# KiCad board data-center-ddr5-tester.kicad_pcb (continued)
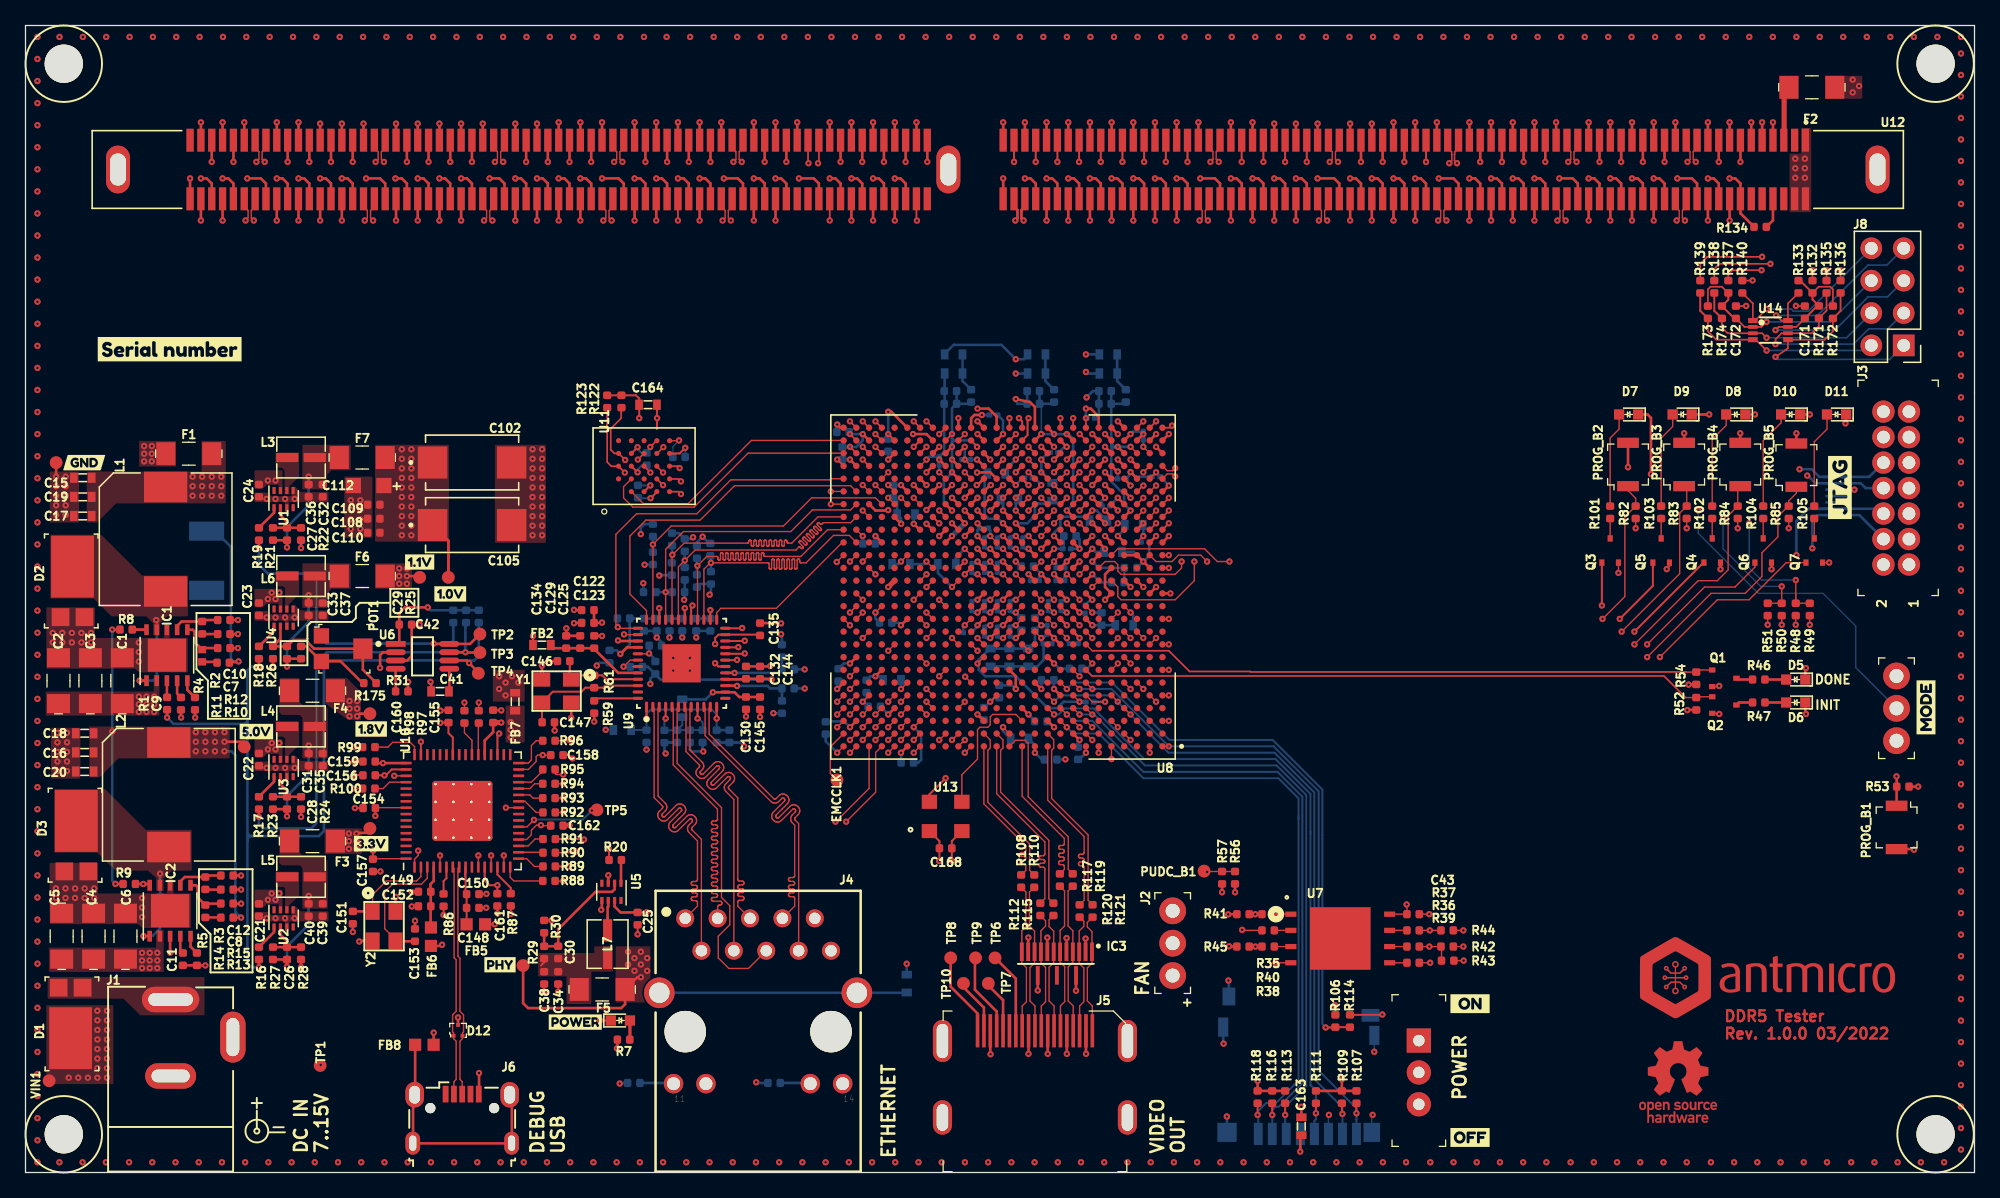
[diagram p0: board, top side]
## Routing (per net, layer and track width the routed paths; a pad name or vN(x,y) marks a point on that pad's centre or on a via; arc(x,y) is an arc through that point) (continued)
  vias: v1(25.35,26.6) v1(25.35,26) v1(25.35,25.4) v1(25.95,26) v1(25.95,25.4) v1(79.36,14.29) v1(143.25,85.75) v1(143.25,84.75) v1(143.75,85.25)
/Ethernet/AVDDH: length 12.3
  Top w0.15: U9.1 v1(48.69,35.63) ; U9.12 v1(54.19,35.63)
  Bottom w0.15: FB1.2 48.67,34.73 C128.1 v1(48.69,35.63) 48.69,35.98 49.03,36.33 53.79,36.33 54.19,35.93 v1(54.19,35.63) C133.1
  Bottom w0.2: C133.1 C138.1
/Ethernet/AVDDL: length 8.1
  Top w0.15: U9.4 v1(50.19,35.63) ; U9.9 v1(52.69,35.63)
  Bottom w0.15: FB3.1 51.49,35.11 C140.1 ; C140.1 C143.1 C136.1 53.09,35.33 52.79,35.63 v1(52.69,35.63) ; C140.1 51.07,34.7 C131.1 50.09,35.53 v1(50.19,35.63)
/Ethernet/AVDDL_PLL: length 7.8
  Top w0.2: U9.44 46.46,39.2 44.59,41.08 C125.1 C129.1 C134.1 41.44,41.14 FB2.1
/FPGA banks 16-34/GND_: length 14.3
  Top w0.127: v1(136.5,67.75) 135.6,66.85 U14.1 135.43,68.19 R140.1
  Top w0.15: 134.65,68.97 R140.1
  Bottom w0.127: J8.8 139.78,67.59 138.6,67.59 138.44,67.75 v1(136.5,67.75)
/Supply/VCC_AUX_EN: length 35.4
  Top w0.2: TP3.1 34.52,40.8 v1(34.49,40.83) U6.7 ; R17.2 v1(18.3,27.9)
  Bottom w0.2: v1(18.3,27.9) 18.3,27.3 18.6,27 22.4,27 22.8,27.4 22.8,40 23.62,40.83 v1(34.49,40.83) 34.49,43.05 34.59,43.14
/Supply/VCC_INT_EN: length 27.7
  Top w0.2: TP2.1 34.85,41.47 U6.8 32.03,41.47 v1(32,41.5) ; R19.2 v1(18.3,49)
  Bottom w0.2: v1(18.3,49) 18.3,47.7 19,47 22.4,47 22.8,46.6 22.8,42.3 23.6,41.5 v1(32,41.5) 33.3,41.5 33.54,41.74 R32.2
/Supply/VCC_IO_EN: length 94.7
  Top w0.15: v1(45.74,25.39) 45.75,25.38 R20.2
  Top w0.2: R1.2 v1(11.1,35.7) ; R18.2 v1(18.3,39.7) ; R16.2 v1(18.3,16.1) ; TP4.1 35.5,39.25 v1(34.78,39.97) 34.57,40.17 U6.6
  In7.Cu w0.15: v1(45.74,25.39) 45.74,33.34 39.1,39.97 v1(34.78,39.97)
  Bottom w0.2: 17.4,35 17.2,35.2 ; 17.4,35 17.4,26.6 ; 17.4,35 17.4,35.2 ; 17.2,35.2 17.4,35.2 ; 17.2,35.2 17.4,35.4 ; 17.2,35.2 11.6,35.2 v1(11.1,35.7) ; 17.4,26 17.4,26.2 17.6,26.4 ; 17.4,26 17.4,26.6 ; 17.4,26 17.4,16.4 17.7,16.1 v1(18.3,16.1) ; 17.4,26.6 17.6,26.4 ; 17.4,35.2 17.4,35.4 ; 17.4,26.4 17.8,26.4 ; 17.8,26.4 23,26.4 23.4,26.8 23.4,39.8 23.78,40.18 34.57,40.18 ; 17.8,26.4 17.6,26.4 ; 17.4,35.4 17.4,39.4 17.7,39.7 v1(18.3,39.7) ; 34.57,40.18 35.18,40.18 35.54,40.54 R34.2 ; 34.57,40.18 v1(34.78,39.97)
GND: length 554.6
  Top w0.1: 29.67,31.13 v1(28.91,31.13) ; 128.89,47.91 128.92,47.88 128.92,47.59 v1(128.67,47.34) ; v1(132.79,35.98) 132.74,36.03 Q2.2 ; v1(132.79,38.18) 132.74,38.13 Q1.2 ; R49.2 v1(139.89,42.98) ; R51.2 v1(136.59,42.98) ; v1(141.4,47.86) 141.4,47.85 Q7.2 ; Q3.2 v1(124.89,47.05) ; U8.AA26 v2(63.14,53.44) ; U8.A26 v1(63.64,32.94) ; U8.J12 v2(78.64,40.94) ; U8.G8 v2(82.64,38.94) ; U8.B13 v1(76.64,34.94) ; U8.P17 v1(72.64,45.94) ; v2(88.64,51.94) U8.W2 ; U8.M4 v1(86.64,43.94) ; U8.B7 v2(83.64,33.94) ; U8.C7 v2(83.64,34.94) ; U8.D7 v2(83.64,35.94) ; U8.F7 v2(83.64,37.94) ; U8.H15 v2(74.64,39.94) ; U8.AB23 v2(67.64,54.94) ; U8.K19 v2(70.64,41.94) ; U8.B4 v2(86.64,33.94) ; U8.C5 v2(85.64,34.94) ; U8.D4 v2(86.64,35.94) ; U8.E5 v2(85.64,36.94) ; U8.G5 v2(85.64,39.94) ; U8.J2 v2(88.64,41.94) ; U8.K3 v2(87.64,41.94) ; U8.K4 v2(86.64,41.94) ; U8.J5 v2(85.64,41.94) ; U8.H4 v2(86.64,39.94) ; U8.H7 v1(83.64,39.94) ; U8.A2 v2(88.14,32.94) ; U8.A1 v2(89.64,33.44) ; U8.G1 v2(89.64,39.44) ; U8.J1 v2(89.64,41.44) ; U8.L1 v2(89.64,43.44) ; U8.L5 v2(85.64,43.94) ; U8.V25 v1(65.64,49.94) ; U8.B23 v2(66.64,33.94) ; U8.L16 v1(73.64,42.94) ; U10.5 v1(32.5,24.88) ; U8.AD7 v2(83.64,56.94) ; U10.15 v1(37.5,24.88) ; U8.L12 v1(77.64,42.94) ; U8.K13 v1(76.64,41.94) ; v2(42.89,32.49) 42.62,32.75 C158.2 ; U8.R24 v1(66.64,46.94) ; U8.G18 v1(71.64,38.94) ; U8.R1 v2(89.64,47.44) ; Q6.2 v1(136.89,47.34) ; R43.2 v1(112.75,16.62) ; U8.L10 v1(80.64,42.94) ; U8.E24 v1(65.64,36.94) ; U8.N11 v1(79.64,44.94) ; U7.4 v1(97.99,16.46) ; U8.K7 v1(83.64,41.94) ; U8.E14 v1(75.64,36.94) ; U11.E5 51.22,57.42 v1(51.24,57.44) ; U8.L26 v1(64.64,42.94) ; U8.F3 v1(87.64,37.94) ; U10.13 v1(36.5,24.87) ; U8.E2 v1(88.64,36.94) ; U8.M11 v1(79.64,43.94) ; U8.N12 v1(77.64,44.94) ; U8.T9 v1(80.64,47.94) U8.R10 ; U8.T13 v1(76.64,48.94) ; U8.D17 v1(73.64,36.94) ; U8.K9 v1(81.64,41.94) ; v1(84.64,36.94) 83.64,36.94 U8.E7 ; U8.V5 v2(85.64,50.94) ; U8.V15 v2(74.64,50.94) ; U8.W12 v1(77.64,51.94) ; U8.F4 v1(86.64,37.94) ; v2(42.66,27.25) 42.63,27.22 C162.2 ; U8.A16 v1(73.64,32.94) ; U8.L14 v1(75.64,42.94) ; U8.U12 v1(77.64,49.94) ; U8.AC20 v1(70.64,55.94) ; U8.C1 v1(89.64,35.44) ; U8.E1 v1(89.64,37.44) ; U8.J22 v1(67.64,40.94) ; U8.P15 v1(74.64,46.94) ; U8.M23 v1(66.64,43.94) ; U8.R12 v1(77.64,47.94) ; U8.U14 v1(75.64,49.94) ; U8.N10 v1(80.64,44.94) ; U8.P13 v1(76.64,46.94) ; U10.11 v1(35.5,24.88) ; U8.K11 v1(79.64,41.94) ; U8.N20 v1(69.64,44.94) ; U8.N14 v1(75.64,44.94) ; U8.A6 v1(84.14,32.94) ; v1(30.79,25.25) 30.79,24.88 30.5,24.59 U10.1 ; U8.T21 v1(68.64,47.94) ; C43.2 v1(110.06,20.27) ; U8.M13 v1(76.64,43.94) ; U8.M9 v1(81.64,43.94) ; U8.M7 v1(83.64,43.94) ; U8.C20 v1(69.64,34.94) ; U8.R14 v1(75.64,47.94) ; U8.A7 v1(83.14,32.94) ; v2(89.64,48.44) U8.T1 ; Q4.2 v1(132.89,47.34) ; U8.F21 v1(68.64,37.94) ; 68.09,51.44 v1(68.65,50.9) ; U8.A5 v1(85.14,32.44) ; 38.6,28.63 v2(37.66,28.63) ; U8.R11 v1(79.64,47.94) ; U8.P12 v1(77.64,46.94)
  Top w0.127: v1(135.4,70) 135.38,69.98 R140.2 ; v1(134.9,68) 134.88,67.98 C172.2 ; C171.2 138.81,67.98 v1(138.8,68) ; U8.AF1 89.72,58.44 v1(89.89,58.6) ; U8.AC10 v1(79.64,55.94)
  Top w0.15: 26.45,31.19 25.74,31.19 ; 48.47,53.4 48.97,53.9 ; 47.48,55.44 47.98,54.94 ; U13.2 72.62,26 C168.2 72.62,24.45 v1(72.64,24.44) ; C161.2 36.99,20.35 v1(37.01,20.33) ; U10.47 v1(31,33.8) ; C154.2 25.84,28.59 v1(25.83,28.6) ; C25.2 47.99,18.69 v1(47.99,18.69) ; R86.1 v1(32.78,20.2) ; v1(41.76,14.19) 41.76,14.19 C34.2 ; C159.2 25.74,32.25 v1(25.74,32.24) ; U9.29 52.19,44.39 v1(52.29,44.49) ; v1(27.83,23.62) 27.82,23.62 C157.2 ; C148.2 36.11,20.76 v1(36.12,20.77) ; v1(37.14,34.44) 37,34.3 U10.35 ; v1(37.3,36.26) 37.29,36.27 C155.2 ; C164.2 49.5,58.35 v1(49.51,59.19) ; C160.2 32.56,36.27 v1(32.53,36.24) ; v1(36.14,21.86) 36.12,21.84 C150.2 ; 2.4,55.3 v1(2.4,54.6)
  Top w0.2: 51.44,41.93 v1(51.49,41.98) ; v1(45.69,23.32) 45.69,23.32 U5.3 ; 40.69,19.78 41.23,19.78 ; v1(40.62,14.17) 40.66,14.22 C38.2 ; C130.2 v1(56.49,35.78) ; C132.2 C144.2 58.36,39.71 v1(58.39,39.74) ; C129.2 C134.2 42.4,42.12 v1(42.4,42.7) ; C146.2 40.84,40.13 v1(40.49,39.78) Y1.2 40.49,38.48 ; v1(41.49,34.68) 41.47,34.69 C147.2 ; Y1.4 v1(42.79,35.68) ; R59.1 v1(44.59,35.38) ; v1(83.11,18.35) 83.11,18.35 IC3.2 ; v1(81.62,18.39) 81.61,18.38 IC3.5 ; v1(80.11,18.43) 80.11,18.43 IC3.8 ; v1(78.62,18.43) 78.61,18.42 IC3.11 ; v1(83.15,9.31) 83.14,9.32 J5.2 ; v1(81.64,9.31) 81.64,9.31 J5.5 ; v1(80.14,9.31) 80.14,9.31 J5.8 ; v1(78.63,9.31) 78.64,9.32 J5.11 ; v1(75.66,9.28) 75.64,9.3 J5.17 ; v1(148.06,25.33) 148.01,25.38 PROG_B1.2 ; PROG_B3.2 v1(130.04,58) ; PROG_B4.2 v1(134.44,58) ; 138.84,57.25 v1(138.84,58) ; R12.2 v1(16.65,41.15) ; C7.2 v1(16.65,42.25) ; C10.2 v1(16.65,43.35) ; R28.2 v1(21.6,16.1) ; R24.2 v1(21.6,27.9) ; 26.5,80.9 v1(26.5,82.3) ; U12.17 v1(125.95,82.4) ; U12.191 100.45,77.6 100.05,78 v1(99.6,78) ; U12.110 v1(41.8,82.4) ; U12.90 v1(58.8,82.4) ; U12.97 v1(52.85,82.4) ; U12.61 v1(88.55,82.4) ; v1(13.75,78) 14.2,78 14.6,77.6 U12.286 ; v1(41.8,78) 42.25,78 42.65,77.6 U12.253 ; U12.255 40.95,77.6 40.55,78 v1(40.1,78) ; v1(47.75,78) 48.2,78 48.6,77.6 U12.246 ; U12.242 52,77.6 51.6,78 v1(51.15,78) ; v1(15.45,78) 15.9,78 16.3,77.6 U12.284 ; U12.193 98.75,77.6 98.35,78 v1(97.9,78) ; v1(90.25,78) 90.7,78 91.1,77.6 U12.202 ; v1(88.55,78) 89,78 89.4,77.6 U12.204 ; U12.71 v1(80.05,82.4) ; U12.141 v1(15.45,82.4) ; v1(21.4,78) 21.85,78 22.25,77.6 U12.277 ; U12.160 126.8,77.6 126.4,78 v1(125.95,78) ; v1(122.55,78) 123,78 123.4,77.6 U12.164 ; v1(118.3,78) 118.75,78 119.15,77.6 U12.169 ; U12.85 v1(63.05,82.4) ; U12.28 v1(116.6,82.4) ; U12.216 79.2,77.6 78.8,78 v1(78.35,78) ; U12.10 v1(131.9,82.4) ; U12.15 v1(127.65,82.4) ; U12.8 v1(133.6,82.4) ; 35.85,80.9 v1(35.85,82.3) ; 38.4,80.9 v1(38.4,82.3) ; U12.136 v1(19.7,82.4) ; U12.35 v1(110.65,82.4) ; U12.32 v1(113.2,82.4) ; U12.30 v1(114.9,82.4) ; U12.81 v1(66.45,82.4) ; 24.8,80.9 v1(24.8,82.3) ; U12.73 v1(78.35,82.4) ; U12.233 59.65,77.6 59.25,78 v1(58.8,78) ; U12.95 v1(54.55,82.4) ; U12.92 v1(57.1,82.4) ; 103.85,80.9 v1(103.85,82.3) ; U12.228 63.9,77.6 63.5,78 v1(63.05,78) ; U12.208 86,77.6 85.6,78 v1(85.15,78) ; 101.3,80.9 v1(101.3,82.3) ; 99.6,80.9 v1(99.6,82.3) ; U12.13 v1(129.35,82.4) ; U12.88 v1(60.5,82.4) ; v1(81.75,78) 82.2,78 82.6,77.6 U12.212 ; U12.21 v1(122.55,82.4) ; U12.108 v1(43.5,82.4) ; U12.240 53.7,77.6 53.3,78 v1(52.85,78) ; U12.24 v1(120,82.4) ; 23.1,80.9 v1(23.1,82.3) ; 32.45,80.9 v1(32.45,82.3) ; U12.39 v1(107.25,82.4) ; U12.134 v1(21.4,82.4) ; 105.55,80.9 v1(105.55,82.3) ; U12.214 80.9,77.6 80.5,78 v1(80.05,78) ; U12.75 v1(76.65,82.4) ; U12.57 v1(91.95,82.4) ; U12.54 v1(94.5,82.4) ; U12.19 v1(124.25,82.4) ; U12.37 v1(108.95,82.4) ; U12.106 v1(45.2,82.4) ; U12.103 v1(47.75,82.4) ; U12.63 v1(86.85,82.4) ; U12.6 v1(135.3,82.4) ; U12.273 25.65,77.6 25.25,78 v1(24.8,78) ; U12.52 v1(96.2,82.4) ; U12.59 v1(90.25,82.4) ; U12.184 106.4,77.6 106,78 v1(105.55,78) ; U12.26 v1(118.3,82.4) ; v1(43.5,78) 43.95,78 44.35,77.6 U12.251 ; U12.77 v1(69.85,82.4) ; U12.266 31.6,77.6 31.2,78 v1(30.75,78) ; U12.275 23.95,77.6 23.55,78 v1(23.1,78) ; v1(19.7,78) 20.15,78 20.55,77.6 U12.279 ; v1(96.2,78) 96.65,78 97.05,77.6 U12.195 ; v1(32.45,78) 32.9,78 33.3,77.6 U12.264 ; U12.197 95.35,77.6 94.95,78 v1(94.5,78) ; U12.180 109.8,77.6 109.4,78 v1(108.95,78) ; v1(107.25,78) 107.7,78 108.1,77.6 U12.182 ; U12.257 39.25,77.6 38.85,78 v1(38.4,78) ; v1(113.2,78) 113.65,78 114.05,77.6 U12.175 ; v1(124.25,78) 124.7,78 125.1,77.6 U12.162 ; v1(86.85,78) 87.3,78 87.7,77.6 U12.206 ; U12.79 v1(68.15,82.4) ; U12.101 v1(49.45,82.4) ; v1(103.85,78) 104.3,78 104.7,77.6 U12.186 ; U12.222 69,77.6 68.6,78 v1(68.15,78) ; U12.69 v1(81.75,82.4) ; U12.244 50.3,77.6 49.9,78 v1(49.45,78) ; U12.153 132.75,77.6 132.35,78 v1(131.9,78) ; U12.67 v1(83.45,82.4) ; U12.83 v1(64.75,82.4) ; 40.1,80.9 v1(40.1,82.3) ; 34.15,80.9 v1(34.15,82.3) ; 29.05,80.9 v1(29.05,82.3) ; U12.139 v1(17.15,82.4) ; U12.173 115.75,77.6 115.35,78 v1(114.9,78) ; U12.219 v1(76.65,78) ; v1(83.45,78) 83.9,78 84.3,77.6 U12.210 ; v1(34.15,78) 34.6,78 35,77.6 U12.262 ; U12.224 67.3,77.6 66.9,78 v1(66.45,78) ; U12.158 128.5,77.6 128.1,78 v1(127.65,78) ; U12.235 57.95,77.6 57.55,78 v1(57.1,78) ; U12.288 v1(12.9,78) ; v1(64.75,78) 65.2,78 65.6,77.6 U12.226 ; v1(116.6,78) 117.05,78 117.45,77.6 U12.171 ; U12.143 v1(13.75,82.4) ; U12.99 v1(51.15,82.4) ; 30.75,80.9 v1(30.75,82.3) ; 97.9,80.9 v1(97.9,82.3) ; v1(133.6,78) 134.05,78 134.45,77.6 U12.151 134.45,75.27 R134.1 ; U12.65 v1(85.15,82.4) ; U12.166 121.7,77.6 121.3,78 v1(120.25,78) ; v1(30.9,43) 30.89,42.99 C42.2 30.27,40.52 29.93,40.17 U6.3 ; U8.AF21 67.89,59.69 v1(67.64,59.69) ; v1(83.64,44.94) U8.N7 ; U8.P9 v1(80.64,46.94) ; v1(45.2,42.1) 45.19,42.11 C125.2 ; C152.2 30.3,20.89 v1(30.29,20.88) ; U8.P11 v1(78.64,46.94) ; v2(86.64,45.94) U8.P4 ; v1(35.56,7.81) 35.56,6.67 ; U8.U18 v1(72.64,49.94) ; U8.Y19 71.09,52.44 v1(70.64,51.99) ; U8.AF11 79.14,60.06 78.76,60.44 v1(77.64,60.69) ; 125.64,57.3 PROG_B2.2 v1(125.64,55.34) ; U8.AE24 v1(65.64,57.94) ; v1(60.64,78) 61.8,78 62.2,77.6 U12.230 ; v1(26.7,78) 27.8,78 28.2,77.6 U12.270 ; U8.AB3 87.14,54.46 v1(86.64,54.96) ; R22.2 v1(21.6,49) ; v1(45.2,78) 46.5,78 46.9,77.6 U12.248 ; v1(45.14,20.62) 45.19,20.67 U5.5 ; C8.2 v1(16.9,22.2) ; FB8.1 32,10.97 v1(32,10.97) ; U12.188 103,77.6 102.6,78 v1(101.3,78) ; U8.AE14 v1(76.64,57.94) ; U8.M15 v1(74.64,43.94) ; U12.281 18.85,77.6 18.45,78 v1(17.39,78) ; C11.2 R5.1 14.1,16.25 v1(14.1,16.25) ; U8.H25 v1(64.64,39.94) ; R31.2 29.99,38.48 v1(30,38.5) ; U8.AA16 v1(73.64,52.94) ; R57.2 v1(93.81,21.99) ; Y2.2 26.21,18.18 v1(26.16,18.13) ; C151.2 v1(25.66,18.88) ; v2(87.64,45.94) U8.P3 ; C41.1 31.8,38.45 v1(31.75,38.5) ; v1(77.64,53.94) U8.AB13 ; U8.R5 84.64,46.94 84.64,45.94 U8.N5 v1(84.64,44.94) ; U8.R2 v1(87.64,47.94) U8.T3 U8.T4 ; v1(68.65,50.9) 68.14,51.41 U8.W22 ; U12.259 37.55,77.6 37.15,78 v1(36.39,78) ; C9.2 12.19,35.71 v1(12.2,35.7) ; C163.2 v1(100.03,5.16) ; U8.T11 v1(78.64,48.94) ; v1(43,44.15) 43.02,44.13 C122.2 ; U8.N1 v2(89.76,45.44) ; v1(80.64,34.94) U8.C10 ; U8.U10 v1(79.64,48.94) ; Y2.4 29.01,21.6 v1(29.04,21.63) ; U8.U8 v1(82.64,48.94) ; v1(29,78) 29.5,78 29.9,77.6 U12.268 ; U8.T15 v1(74.64,48.94) ; U12.177 112.35,77.6 111.95,78 v1(110.8,78) ; C153.2 v1(30.54,19.75) ; C135.2 59.22,43.11 v1(59.24,43.09) ; v1(46.36,9.74) 46.4,9.78 R7.2 ; U8.AE4 v1(86.64,57.94) ; U8.Y9 v1(81.64,52.94) ; v1(54.75,78) 55.85,78 56.25,77.6 U12.237 ; U8.R8 v1(82.64,47.94) ; R15.2 v1(16.9,21.1) ; C123.2 43.03,43.13 v1(43,43.1) ; v1(13.3,35.7) 13.29,35.71 R4.1 ; U12.199 93.65,77.6 93.25,78 v1(92.1,78) ; v1(30.29,22) 30.31,22.03 C149.2 ; C12.2 v1(16.9,23.3) ; v1(129.5,78) 130.65,78 131.05,77.6 U12.155 ; v1(2.4,54.6) GND1.1 ; U8.N2 v2(88.64,45.94) ; D12.3 33.91,11.97 ; U8.F11 v1(79.64,37.94) ; R26.2 v1(19.4,39.7) ; U8.AD17 v1(73.64,56.94) ; C145.2 v1(57.59,35.74) ; U8.AA6 v1(84.64,52.94)
  Bottom w0.1: v1(105.61,4.52) 105.55,4.45 J7.~ ; C165.2 50.75,56.95 v1(51.24,57.44) ; J7.6 102.15,4.48 v1(102.19,4.52) ; v1(105.74,9.47) 105.75,9.48 105.75,10.76
  Bottom w0.15: v1(48.98,53.91) 48.05,53.91 ; v1(47.99,54.94) 47.99,55.16 48.32,55.49 C167.2
  Bottom w0.2: R79.2 49.86,41.6 v1(49.49,41.98) C137.2 C127.2 ; v1(50.19,32.88) 50.09,32.98 C131.2 50.1,33.74 C140.2 ; C133.2 C138.2 56.04,33.74 v1(56.34,33.44) ; v1(44.79,39.78) 45.01,39.99 C141.2 ; 53.09,33.28 C136.2 53.09,33.09 v1(53.14,33.04) 52.24,33.04 52.09,33.19 C143.2 ; C128.2 v1(48.69,33.18) ; C142.2 C126.2 v1(52.59,41.98) ; C139.2 v1(51.49,41.98) ; C124.2 v1(50.49,41.98) ; D4.5 D4.10 v1(143.39,53.58) ; 84.19,60.35 C169.2 ; C169.2 84.15,59.51 C73.2 ; C169.2 C170.2 83.69,61.31 v1(83.19,60.81) ; 78.56,60.35 C175.2 ; C175.2 77.76,60.31 v1(77.64,60.69) ; C175.2 C176.2 ; v1(78.64,48.94) 78.37,48.94 C89.2 ; v1(80.64,34.94) 80.62,34.94 80.12,35.44 ; J7.~ 93.9,10.14 v1(93.93,10.11) ; 80.32,56.44 80.14,56.44 v1(79.64,55.94) 79.64,54.99 R130.2 ; C48.2 77.69,42.94 v1(77.64,42.94) 77.37,42.94 C92.2 ; C62.2 75.95,37.25 v1(75.64,36.94) 75.14,36.44 ; v1(74.64,43.94) 74.37,43.94 C74.2 ; R75.2 52.88,46.17 R76.2 53.74,45.44 v1(53.64,45.34) ; C66.2 76.37,46.94 v1(76.64,46.94) ; v1(76.64,57.94) 76.64,59.01 C87.2 ; v1(51.64,44.94) 51.67,44.97 R77.2 51.69,45.55 R74.2 ; C81.2 76.37,43.94 v1(76.64,43.94) ; C69.2 73.64,56.13 v1(73.64,56.94) ; C113.2 83.24,39.54 v1(83.64,39.94) ; C47.2 75.64,50.38 v1(75.64,49.94) 75.37,49.94 C63.2 ; 94.35,13.81 94.35,15.03 v1(94.31,15.06) ; v1(77.64,49.94) 77.37,49.94 C51.2 ; C93.2 80.82,46.76 v1(80.64,46.94) ; v1(77.64,44.94) 77.37,44.94 C85.2 ; C101.2 65.65,49.92 v1(65.64,49.94) ; R162.2 86.89,48.69 v1(87.64,47.94) ; C90.2 65.12,56.92 65.64,57.44 v1(65.64,57.94) 64.74,57.94 C80.2 ; v1(59.24,42.24) 59.31,42.17 R81.2 ; v1(78.64,46.94) 78.82,46.76 C75.2 ; C104.2 87,54.6 v1(86.64,54.96) 86.64,54.81 C77.2 ; C106.2 79.58,43.94 v1(79.64,43.94) ; v1(86.64,43.94) 86.84,43.74 C44.2 ; v1(77.64,53.94) 78.2,54.5 C65.2 ; R73.2 49.72,46.87 v1(49.69,46.84) ; v1(70.64,55.94) 70.86,56.16 C83.2 72.03,56.55 C173.2 72.06,60.35 R125.2 ; v1(87.64,47.94) 87.14,47.44 C46.2 ; v1(87.64,47.94) 88.1,48.4 C98.2 ; R126.2 77.64,52.61 v1(77.64,51.94) ; FB4.2 v1(69.09,16.38) ; C97.2 79.76,41.94 v1(79.64,41.94) ; v1(84.64,36.94) 83.78,36.94 C82.2 ; v1(66.64,43.94) 66.64,43.45 C115.2 ; v1(79.64,37.94) 79.65,37.95 C76.2 ; C71.2 80.82,47.76 v1(80.64,47.94) ; C78.2 75.37,44.94 v1(75.64,44.94) ; v1(68.64,47.94) 68.44,47.74 C53.2 ; C114.2 81.37,43.94 v1(81.64,43.94) ; R129.2 v1(77.64,62.69) ; C56.2 82.64,49.67 v1(82.64,48.94) C67.2 ; C118.2 81.64,41.72 v1(81.64,41.94) ; v1(74.64,46.94) 74.37,46.94 C59.2 ; C103.2 C60.2 C64.2 79.31,39.71 79.82,40.22 C100.2 79.64,41.67 v1(79.64,41.94) ; v1(79.64,41.94) 79.79,41.94 80.09,42.24 ; C55.2 75.46,47.76 v1(75.64,47.94) ; v1(68.64,37.94) C119.2 ; v1(73.64,42.94) 73.51,42.81 C96.2 ; v1(83.64,43.94) 84.35,43.94 C45.2 ; C99.2 82.61,32.41 v1(83.14,32.94) ; v1(63.64,32.94) 62.74,33.84 C94.2 62.74,34.16 ; v1(84.64,52.94) 84.38,52.68 C95.2 ; C58.2 64.15,39.94 v1(64.64,39.94) ; v1(76.64,34.94) 76.64,34.64 C121.2 ; v1(58.64,36.04) 58.64,36.03 R80.2 ; v1(77.64,47.94) 78.02,47.56 78.06,47.56 ; v1(83.64,44.94) 83.49,44.94 83.1,44.55 ; J7.~ 94.2,4.38 v1(94.18,4.39) ; C79.2 80.37,44.94 v1(80.64,44.94) ; v1(48.54,47.69) 48.55,47.7 R78.2 ; v1(86.64,57.94) 86.83,58.13 C61.2 ; v1(69.64,34.94) 70.22,34.36 70.22,32.38 70,32.16 C72.2 ; v1(75.64,42.94) 75.37,42.94 75.19,42.76 ; C70.2 76.37,48.94 v1(76.64,48.94) ; C57.2 72.92,50.22 v1(72.64,49.94) ; v1(72.64,45.94) 71.54,47.04 C49.2 ; C117.2 80.88,32.42 v1(81.53,32.42) ; v1(76.64,41.94) 76.37,41.94 C88.2 ; v1(83.14,62.81) 83.26,62.69 R160.2 ; C107.2 65.68,36.94 v1(65.64,36.94) 65.94,37.24 C68.2 ; C111.2 68.34,52.65 C120.2 68.64,51.34 v1(68.65,50.9) ; v1(67.64,59.69) C54.2
  vias: v1(0.94,89.1) v1(0.94,87.37) v1(0.94,85.64) v1(0.94,83.91) v1(0.94,82.18) v1(0.94,80.45) v1(0.94,78.71) v1(0.94,76.98) v1(0.94,75.25) v1(0.94,73.52) v1(0.94,71.79) v1(0.94,70.06) v1(0.94,68.33) v1(0.94,66.6) v1(0.94,64.86) v1(0.94,63.13) v1(0.94,61.4) v1(0.94,59.67) v1(0.94,57.94) v1(0.94,56.21) v1(0.94,54.48) v1(0.94,52.74) v1(0.94,51.01) v1(0.94,49.28) v1(0.94,47.55) v1(0.94,45.82) v1(0.94,44.09) v1(0.94,42.36) v1(0.94,40.62) v1(0.94,38.89) v1(0.94,37.16) v1(0.94,35.43) v1(0.94,33.7) v1(0.94,31.97) v1(0.94,30.24) v1(0.94,28.5) v1(0.94,26.77) v1(0.94,25.04) v1(0.94,23.31) v1(0.94,21.58) v1(0.94,19.85) v1(0.94,18.12) v1(0.94,16.39) v1(0.94,14.65) v1(0.94,12.92) v1(0.94,11.19) v1(0.94,9.46) v1(0.94,7.73) v1(0.94,6) v1(0.94,4.27) v1(0.94,2.53) v1(0.94,0.8) v1(2.14,42.34) v1(2.14,41.59) v1(2.4,53.85) v1(2.4,53.1) v1(2.4,52.35) v1(2.4,51.6) v1(2.39,22.29) v1(2.39,21.54) v1(2.5,34.5) v1(2.5,33.75) v1(2.5,33) v1(2.5,32.25) v1(2.5,31.5) v1(2.67,89.1) v1(2.66,0.8) v1(2.89,42.34) v1(2.89,41.59) v1(3.14,22.29) v1(3.14,21.54) v1(3.15,54.6) v1(3.15,53.85) v1(3.15,53.1) v1(3.15,52.35) v1(3.15,51.6) v1(3.25,34.5) v1(3.25,33.75) v1(3.25,33) v1(3.25,32.25) v1(3.25,31.5) v1(3.64,42.34) v1(3.64,41.59) v1(3.89,22.29) v1(3.89,21.54) v1(4.39,42.34) v1(4.39,41.59) v1(4.5,89.1) v1(4.48,0.8) v1(4.64,22.29) v1(4.64,21.54) v1(5.14,42.34) v1(5.14,41.59) v1(5.39,22.29) v1(5.39,21.54) v1(6.33,89.1) v1(6.3,0.8) v1(8.12,0.8) v1(8.16,89.1) v1(8.89,41.59) v1(8.89,40.84) v1(8.89,40.09) v1(9.14,21.54) v1(9.14,20.79) v1(9.14,20.04) v1(9.94,0.8) v1(9.99,89.1) v1(11.82,89.1) v1(11.76,0.8) v1(13.65,89.1) v1(13.58,0.8) v1(15.4,0.8) v1(15.48,89.1) v1(17.22,0.8) v1(17.31,89.1) v1(18.9,52.85) v1(18.9,43.55) v1(18.9,31.75) v1(18.9,19.95) v1(19.04,0.8) v1(19.14,89.1) v1(19.6,52.85) v1(19.6,43.55) v1(19.6,31.75) v1(19.6,19.95) v1(20.35,52.85) v1(20.35,43.55) v1(20.35,31.75) v1(20.35,19.95) v1(20.86,0.8) v1(20.97,89.1) v1(21.1,52.85) v1(21.1,43.55) v1(21.1,31.75) v1(21.1,19.95) v1(22.68,0.8) v1(22.8,89.1) v1(24.5,0.8) v1(24.63,89.1) v1(25.5,52.75) v1(25.5,52) v1(25.5,51.25) v1(25.5,50.5) v1(25.74,31.18) v1(26.25,52.75) v1(26.25,52) v1(26.25,51.25) v1(26.25,50.5) v1(26.32,0.8) v1(26.46,89.1) v1(28.14,0.8) v1(28.29,89.1) v1(29.96,0.8) v1(30.12,89.1) v1(31.78,0.8) v1(31.95,89.1) v1(33.6,0.8) v1(33.79,89.1) v1(33.91,12.17) v1(35.42,0.8) v1(35.62,89.1) v1(37.24,0.8) v1(37.45,89.1) v1(39.06,0.8) v1(39.28,89.1) v1(39.75,56.75) v1(39.75,56) v1(39.75,55.25) v1(39.75,54.5) v1(39.75,53.75) v1(39.75,53) v1(39.75,52.25) v1(39.75,51.5) v1(39.75,50.75) v1(39.75,50) v1(40.5,56.75) v1(40.5,56) v1(40.5,55.25) v1(40.5,54.5) v1(40.5,53.75) v1(40.5,53) v1(40.5,52.25) v1(40.5,51.5) v1(40.5,50.75) v1(40.5,50) v1(40.88,0.8) v1(41.11,89.1) v1(41.24,19.8) v1(42.7,0.8) v1(42.94,89.1) v1(44.52,0.8) v1(44.79,89.1) v1(46.34,0.8) v1(46.64,89.1) v1(48.17,0.8) v1(48.49,89.1) v1(49.99,0.8) v1(50.26,89.1) v1(50.79,40.38) v1(50.79,39.38) v1(51.81,0.8) v1(52.11,89.1) v1(52.09,40.38) v1(52.09,39.38) v1(53.63,0.8) v1(53.95,89.1) v1(55.45,0.8) v1(55.8,89.1) v1(57.27,0.8) v1(57.64,89.1) v1(59.09,0.8) v1(59.49,89.1) v1(60.91,0.8) v1(61.34,89.1) v1(62.73,0.8) v1(63.18,89.1) v1(64.55,0.8) v1(65.03,89.1) v1(66.37,0.8) v1(66.88,89.1) v1(68.19,0.8) v1(68.72,89.1) v1(70.01,0.8) v1(70.57,89.1) v1(71.83,0.8) v1(72.41,89.1) v1(73.65,0.8) v1(74.26,89.1) v1(75.47,0.8) v1(76.11,89.1) v1(77.29,0.8) v1(77.95,89.1) v1(79.11,0.8) v1(79.8,89.1) v1(80.93,0.8) v1(81.64,89.1) v1(82.75,0.8) v1(83.49,89.1) v1(84.57,0.8) v1(85.34,89.1) v1(86.39,0.8) v1(87.18,89.1) v1(88.21,0.8) v1(89.03,89.1) v1(90.03,0.8) v1(90.87,89.1) v1(91.85,0.8) v1(92.72,89.1) v1(93.67,0.8) v1(94.57,89.1) v1(95.49,0.8) v1(96.41,89.1) v1(97.31,0.8) v1(98.26,89.1) v1(99.13,0.8) v1(100.11,89.1) v1(100.95,0.8) v1(101.95,89.1) v1(102.78,0.8) v1(103.8,89.1) v1(104.6,0.8) v1(105.64,89.1) v1(106.42,0.8) v1(107.49,89.1) v1(108.24,0.8) v1(109.34,89.1) v1(110.13,0.8) v1(111.16,89.1) v1(111.95,0.8) v1(113.01,89.1) v1(113.78,0.8) v1(114.86,89.1) v1(115.6,0.8) v1(116.7,89.1) v1(117.42,0.8) v1(118.55,89.1) v1(119.24,0.8) v1(120.39,89.1) v1(121.13,0.8) v1(122.24,89.1) v1(122.95,0.8) v1(124.09,89.1) v1(124.78,0.8) v1(125.91,89.1) v1(126.6,0.8) v1(127.76,89.1) v1(128.42,0.8) v1(129.61,89.1) v1(130.24,0.8) v1(131.45,89.1) v1(132.13,0.8) v1(133.3,89.1) v1(133.95,0.8) v1(135.14,89.1) v1(135.78,0.8) v1(136.99,89.1) v1(137.6,0.8) v1(138.84,89.1) v1(139.42,0.8) v1(140.66,89.1) v1(141.24,0.8) v1(142.51,89.1) v1(143.13,0.8) v1(144.36,89.1) v1(144.95,0.8) v1(146.2,89.1) v1(146.78,0.8) v1(148.05,89.1) v1(148.6,0.8) v1(149.89,89.1) v1(150.42,0.8) v1(151.74,89.1) v1(151.74,87.8) v1(151.74,86.12) v1(151.74,84.43) v1(151.74,82.74) v1(151.74,81.06) v1(151.74,79.37) v1(151.74,77.69) v1(151.74,76) v1(151.74,74.31) v1(151.74,72.63) v1(151.74,70.94) v1(151.74,69.25) v1(151.74,67.57) v1(151.74,65.88) v1(151.74,64.2) v1(151.74,62.51) v1(151.74,60.82) v1(151.74,59.14) v1(151.74,57.45) v1(151.74,55.76) v1(151.74,54.08) v1(151.74,52.39) v1(151.74,50.7) v1(151.74,49.02) v1(151.74,47.33) v1(151.74,45.65) v1(151.74,43.96) v1(151.74,42.27) v1(151.74,40.59) v1(151.74,38.9) v1(151.74,37.21) v1(151.74,35.53) v1(151.74,33.84) v1(151.74,32.16) v1(151.74,30.47) v1(151.74,28.78) v1(151.74,27.1) v1(151.74,25.41) v1(151.74,23.72) v1(151.74,22.04) v1(151.74,20.35) v1(151.74,18.67) v1(151.74,16.98) v1(151.74,15.29) v1(151.74,13.61) v1(151.74,11.92) v1(151.74,10.23) v1(151.74,8.55) v1(151.74,6.86) v1(151.74,5.18) v1(151.74,3.49) v1(151.74,1.8)
VCC1V0: length 7.9
  Top w0.2: R21.1 C27.1 v1(20.5,49.05)
  Bottom w0.2: v1(20.5,49.05) 20.5,50.65 22.2,52.35 v1(22.2,54.6)
VCC1V1: length 8.6
  Top w0.2: C33.1 v1(22.2,45.3) ; R25.1 C29.1 v1(20.5,39.7)
  Bottom w0.2: v1(22.2,45.3) 22.2,43.2 20.5,41.5 v1(20.5,39.7)
VCC1V2: length 0.7
  Top w0.15: 40.66,16.79 40.66,16.49 40.41,16.24
VCC1V8: length 7.9
  Top w0.2: R23.1 C28.1 v1(20.5,27.95)
  Bottom w0.2: v1(22.2,33.5) 22.2,31.25 20.5,29.55 v1(20.5,27.95)
VCC3V3: length 7.9
  Top w0.2: R27.1 C26.1 v1(20.5,16.15)
  Bottom w0.2: v1(22.2,21.7) 22.2,19.45 20.5,17.75 v1(20.5,16.15)
VCC5V0_INT: length 61.9
  Top w0.2: 48.68,20.41 C25.1 46.65,20.41 46.19,20.87 U5.7 ; v1(31.54,44.34) 29.74,44.34 29.3,43.9 C42.1 29.3,41.5 29.28,41.47 U6.1 ; v1(7.05,22.65) 7.06,22.64 R9.1 ; 17.15,33.8 v1(15.6,33.8) ; R8.1 v1(6.8,42.6) ; R13.1 v1(16.9,20)
  In5.Cu w0.2: v1(19.6,45) 20.26,44.34 v1(31.54,44.34)
  Bottom w0.2: v1(16.9,20) 16.45,20.45 16.45,32.75 16.15,33.05 v1(15.6,33.05) ; R34.1 R33.1 R32.1 ; v1(6.8,42.6) v1(6.8,34.6) 6.8,22.9 v1(7.05,22.65) ; R32.1 31.76,44.11 v1(31.54,44.34) ; R32.1 33.53,44.13
  vias: v1(13.35,34.55) v1(13.35,33.8) v1(13.35,33.05) v1(14.1,34.55) v1(14.1,33.8) v1(14.1,33.05) v1(14.85,34.55) v1(14.85,33.8) v1(14.85,33.05) v1(15.6,34.55) v1(19,54.3) v1(19,45) v1(19,33.2) v1(19,21.4) v1(19.3,45.5) v1(19.3,33.7) v1(19.3,21.9) v1(19.6,54.3) v1(19.6,33.2) v1(19.6,21.4) v1(19.9,45.5) v1(19.9,33.7) v1(19.9,21.9) v1(48.69,20.42)
VCC12V0: length 12.6
  Top w0.2: v1(16.7,40.1) 16.65,40.05 16.03,40.05
  Bottom w0.2: R6.2 14.88,50.32 16.1,49.1 16.1,40.3 16.3,40.1 v1(16.7,40.1)
  vias: v1(13.1,54.6) v1(13.1,53.85) v1(13.1,53.1) v1(13.85,54.6) v1(13.85,53.85) v1(13.85,53.1) v1(14.6,54.6) v1(14.6,53.85) v1(14.6,53.1) v1(15.35,54.6) v1(15.35,53.85) v1(15.35,53.1)
VIN:
  vias: v1(3.39,7.44) v1(4.14,7.44) v1(4.89,7.44) v1(5.64,12.69) v1(5.64,11.94) v1(5.64,11.19) v1(5.64,10.44) v1(5.64,9.69) v1(5.64,8.94) v1(5.64,8.19) v1(5.64,7.44) v1(6.39,12.69) v1(6.39,11.94) v1(6.39,11.19) v1(6.39,10.44) v1(6.39,9.69) v1(6.39,8.94) v1(6.39,8.19) v1(6.39,7.44) v1(8.89,37.34) v1(8.89,36.74) v1(8.89,36.14) v1(9.14,17.24) v1(9.14,16.64) v1(9.14,16.04) v1(9.49,37.34) v1(9.49,36.74) v1(9.49,36.14) v1(9.74,17.24) v1(9.74,16.64) v1(9.74,16.04) v1(10.09,37.34) v1(10.09,36.74) v1(10.09,36.14) v1(10.34,17.24) v1(10.34,16.64) v1(10.34,16.04)
